# Altium PCB DINOBUS NODE CONTROLLER.PcbDoc
Units mil, origin at the board's own origin, x right, y up, seen from the top; angles counter-clockwise.
Board outline 1653 x 1929 mil, 2 copper layers (Top Layer, Bottom Layer); 70 components, 42 nets, 199 pads, 51 vias.
Unrouted connection lines stored in the file: 25.
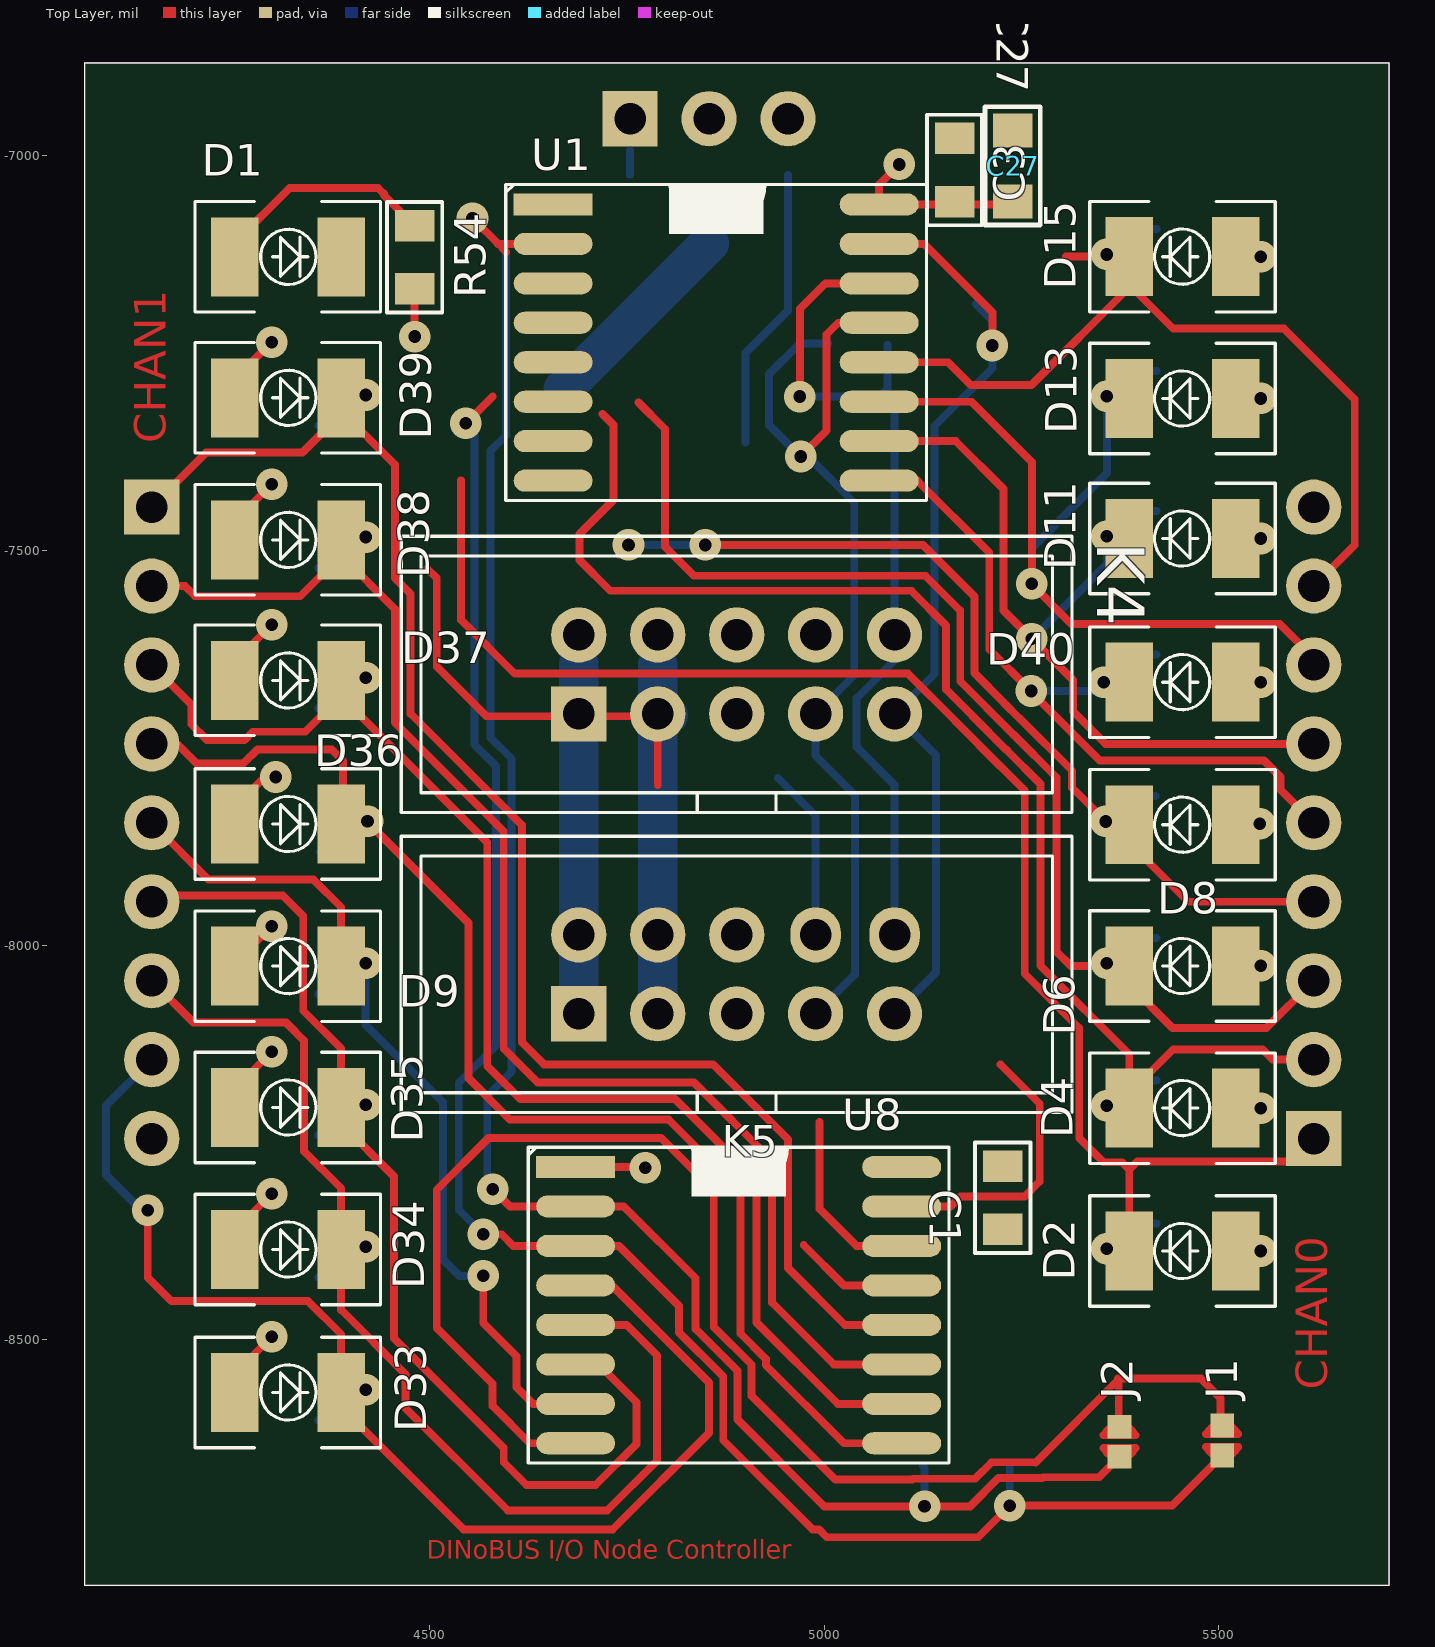
[diagram p0: Top Layer view]
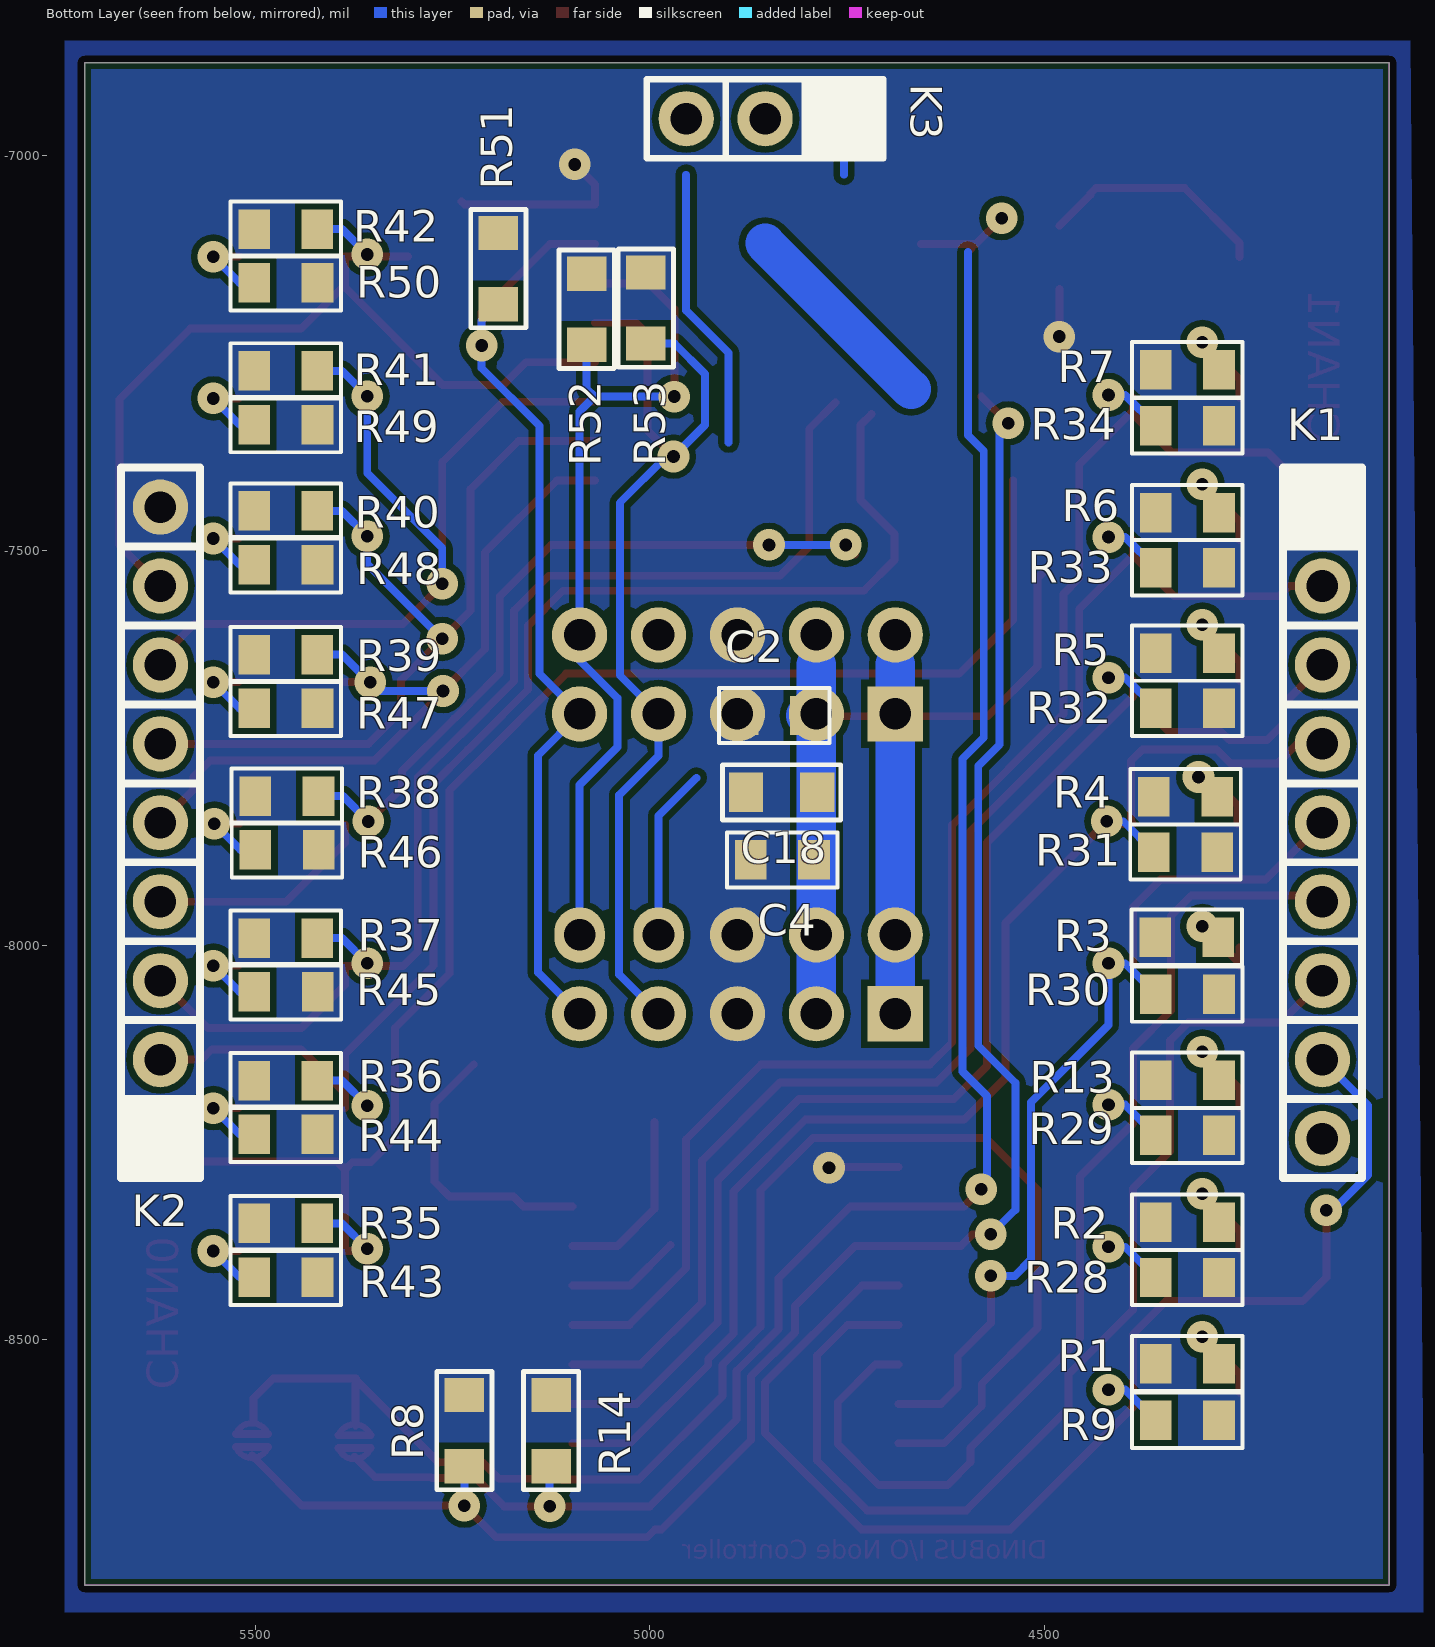
[diagram p1: Bottom Layer view, seen from below]

## Layer stack, top to bottom
Top Layer: signal copper 1.4
Dielectric: core 12.6, FR-4, Dk 4.8
Bottom Layer: signal copper 1.4

## Board outline
4063,-8811 4063,-6882 5716,-6882 5716,-8811

## Design rules (kind name [scope] priority, off if disabled: settings)
AssemblyTestPointUsage [All] p1 off:
AssemblyTestpoint [All] p1 off: testpointundercomponent=TRUE minsize=40 maxsize=100 preferedsize=60 minholesize=0 maxholesize=40 preferedholesize=32 testpointgrid=1 usegrid=TRUE gridtolerance=0.01 allowsidetop=TRUE allowsidebottom=TRUE
Clearance [All] p1: gap=8
ComponentClearance [All] p1 off: gap=10 collisioncheckmode=3 verticalgap=10 showdistances=FALSE
DiffPairsRouting [All] p1 off: maxlimit=10 minlimit=10 mostfreqgap=10 maxuncoupledlength=500
FabricationTestPointUsage TestPointUsage [All] p1 off: valid=0 allowmultiple=FALSE
FabricationTestpoint Testpoint [All] p1 off: side=3 testpointundercomponent=TRUE minsize=40 maxsize=100 preferedsize=60 minholesize=0 maxholesize=40 preferedholesize=32 testpointgrid=1 allowsidetop=TRUE allowsidebottom=TRUE usegrid=TRUE gridtolerance=0.01
FanoutControl Fanout_BGA [IsBGA] p1 off: bgadir=Out bgaviamode=Centered fanoutstyle=Auto fanoutdirection=Alternating viagrid=1 // Fanout_BGA (Default Rule)
FanoutControl Fanout_LCC [IsLCC] p2 off: bgadir=Out bgaviamode=Centered fanoutstyle=Auto fanoutdirection=Alternating viagrid=1 // Fanout_LCC (Default Rule)
FanoutControl Fanout_SOIC [IsSOIC] p3 off: bgadir=Out bgaviamode=Centered fanoutstyle=Auto fanoutdirection=Alternating viagrid=1 // Fanout_SOIC (Default Rule)
FanoutControl Fanout_Small [(CompPinCount < 5)] p4 off: bgadir=Out bgaviamode=Centered fanoutstyle=Auto fanoutdirection=OutThenIn viagrid=1 // Fanout_Small (Default Rule)
FanoutControl Fanout_Default [All] p5 off: bgadir=Out bgaviamode=Centered fanoutstyle=Auto fanoutdirection=Alternating viagrid=1 // Fanout_Default (Default Rule)
Height [All] p1 off: minheight=0 maxheight=1000 prefheight=500
HoleSize [All] p1: absolutevalues=TRUE maxlimit=500 minlimit=1 maxpercent=80.000 minpercent=20.000
LayerPairs [All] p1 off: enforce=TRUE
MinimumAnnularRing "Minimum Annular Ring" [All] p1: minimumring=5 // This is manufacturing dependent. Sierra = 5. This can go to 4 if needed, but keep 5 if possible
MinimumSolderMaskSliver [All] p1 off: minsoldermaskwidth=10
PasteMaskExpansion [All] p1 off: expansion=0
PlaneClearance [All] p1: clearance=6
PlaneConnect "PlaneConnect GND" [InNet('GND')] p1: planeconnectstyle=Direct reliefexpansion=6 reliefentries=4 reliefconductorwidth=10 reliefairgap=6
PlaneConnect "PlaneConnect GENERIC" [All] p2: planeconnectstyle=Relief reliefexpansion=20 reliefentries=4 reliefconductorwidth=10 reliefairgap=10
PolygonConnect [All] p1: connectstyle=Direct reliefconductorwidth=15 reliefentries=4 polygonreliefangle="90 Angle"
RoutingPriority [All] p1 off: routingpriority=0
RoutingTopology [All] p1 off: topology=Shortest
RoutingVias "Routing Vias" [All] p1: holewidth=10 width=30 viastyle="Through Hole" minholewidth=16 minwidth=40 maxholewidth=80 maxwidth=100 // Generic routing via rules
ShortCircuit "Short Circuit Generic Rule" [All] p1: allowed=FALSE // Short circuit Rule : No shorts allowed
SilkToSilkClearance [All] p1 off: silktosilkclearance=10
SilkscreenOverComponentPads [All] p1 off: minsilkscreentomaskgap=10
SolderMaskExpansion "SolderMask Expansion Via's" [(IsVia)] p1: expansion=-40 // Via's should be painted closed. Set to -40
SolderMaskExpansion "Solder Mask Expansion Generic" [All] p2: expansion=2 // Generic solder mask expansion
UnRoutedNet "Un Routed Net" [All] p1:  // Broken Nets not allowed
Width "Generic Width Rules" [All] p1: maxlimit=100 minlimit=10 preferedwidth=10 minimp=50.000000 maximp=50.000000 favimp=50.000000 // Generic width rules applicable if no specific rule is in effect
4 further rules are at their usual default settings.

## Components (designator, comment, footprint, x,y, rotation, side; value= is the part's Value field where it differs from the comment)
C1 "10uF" 0805C-GENERIC 5226,-8290 r270 top
C2 "10uF" 0805C-GENERIC 4872.28,-7709.07 r180 bottom
C3 "10uF" 0805C-GENERIC 5165,-7048 r90 top
C4 "10uF" 0805C-GENERIC 4862,-7892 r180 bottom
C18 "100nF" 0805C 4878,-7806.37 r180 bottom
C27 "100nF" 0805C 5238.54,-7057.83 r90 top
D1 "TOPLED-GREEN" TOPLED-GREEN 4253,-7128 r0 top
D2 "TOPLED-GREEN" TOPLED-GREEN 5521.3,-8387.42 r180 top
D4 "TOPLED-GREEN" TOPLED-GREEN 5521.3,-8206.42 r180 top
D6 "TOPLED-GREEN" TOPLED-GREEN 5521.3,-8026.42 r180 top
D8 "TOPLED-GREEN" TOPLED-GREEN 5521.3,-7847.42 r180 top
D9 "TOPLED-GREEN" TOPLED-GREEN 4253,-8026.58 r0 top
D11 "TOPLED-GREEN" TOPLED-GREEN 5521.3,-7484.83 r180 top
D13 "TOPLED-GREEN" TOPLED-GREEN 5521.3,-7307.42 r180 top
D15 "TOPLED-GREEN" TOPLED-GREEN 5521.3,-7127.83 r180 top
D33 "TOPLED-GREEN" TOPLED-GREEN 4253,-8566.58 r0 top
D34 "TOPLED-GREEN" TOPLED-GREEN 4253,-8385.58 r0 top
D35 "TOPLED-GREEN" TOPLED-GREEN 4253,-8205.58 r0 top
D36 "TOPLED-GREEN" TOPLED-GREEN 4253,-7846.58 r0 top
D37 "TOPLED-GREEN" TOPLED-GREEN 4253,-7664.58 r0 top
D38 "TOPLED-GREEN" TOPLED-GREEN 4253,-7486.58 r0 top
D39 "TOPLED-GREEN" TOPLED-GREEN 4253,-7306.58 r0 top
D40 "TOPLED-GREEN" TOPLED-GREEN 5521.3,-7666.83 r180 top
J1 "A2" BYPASS#1 5504,-8646.58 r90 top
J2 "A1" BYPASS#2 5374,-8648 r90 top
K1 "HEADER-1X9" HEADER-1X9 4148,-7445 r180 bottom
K2 "HEADER-1X9" HEADER-1X9 5620,-8245 r0 bottom
K3 "HEADER-1X3" HEADER-1X3 4754,-6953 r270 bottom
K4 "DINOBUS" IDC10-B#1 4689,-7707 r0 top
K5 "DINOBUS" IDC10-B#2 4689,-8087 r0 top
R1 "330R" 0805R-330#1 4279,-8530 r0 bottom
R2 "330R" 0805R-330#1 4279,-8351 r0 bottom
R3 "330R" 0805R-330#1 4280,-7990 r0 bottom
R4 "330R" 0805R-330#1 4281.4,-7812 r0 bottom
R5 "330R" 0805R-330#1 4279,-7630 r0 bottom
R6 "330R" 0805R-330#1 4279,-7452 r0 bottom
R7 "330R" 0805R-330#1 4279,-7271 r0 bottom
R8 "10K" 0805R 5235,-8660 r90 bottom
R9 "10K" 0805R-10K 4359,-8602 r180 bottom
R13 "330R" 0805R-330#1 4279,-8171 r0 bottom
R14 "10K" 0805R 5125,-8660 r90 bottom
R28 "10K" 0805R-10K 4359,-8421 r180 bottom
R29 "10K" 0805R-10K 4359,-8241 r180 bottom
R30 "10K" 0805R-10K 4359,-8062 r180 bottom
R31 "10K" 0805R-10K 4361.4,-7882 r180 bottom
R32 "10K" 0805R-10K 4359,-7700 r180 bottom
R33 "10K" 0805R-10K 4359,-7522 r180 bottom
R34 "10K" 0805R-10K 4359,-7342 r180 bottom
R35 "10K" 0805R-10K 5421.13,-8352.48 r0 bottom
R36 "10K" 0805R-10K 5421.13,-8171.48 r0 bottom
R37 "10K" 0805R-10K 5421.07,-7990.98 r0 bottom
R38 "10K" 0805R-10K 5419.77,-7811.15 r0 bottom
R39 "10K" 0805R-10K 5421.13,-7631.89 r0 bottom
R40 "10K" 0805R-10K 5421.13,-7449.89 r0 bottom
R41 "10K" 0805R-10K 5421.13,-7272.48 r0 bottom
R42 "10K" 0805R-10K 5421.13,-7092.89 r0 bottom
R43 "330R" 0805R-330#1 5501,-8420.58 r180 bottom
R44 "330R" 0805R-330#1 5501,-8239.58 r180 bottom
R45 "330R" 0805R-330#1 5500.94,-8059.09 r180 bottom
R46 "330R" 0805R-330#1 5499.64,-7879.26 r180 bottom
R47 "330R" 0805R-330#1 5501,-7700 r180 bottom
R48 "330R" 0805R-330#1 5501,-7518 r180 bottom
R49 "330R" 0805R-330#1 5501,-7340.58 r180 bottom
R50 "330R" 0805R-330#1 5501,-7161 r180 bottom
R51 "10K" 0805R 5192,-7188 r90 bottom
R52 "10K" 0805R 5080,-7239.37 r90 bottom
R53 "10K" 0805R 5005,-7238 r90 bottom
R54 "330R" 0805R-330#2 4481,-7098.6 r270 top
U1 "PCA9534" SO16W 4656.5,-7061.56 r0 top
U8 "PCA9534" SO16W 4685,-8281 r0 top

## Footprints (in the part's own frame and the unit in brackets; to place one, negate y for a bottom-side part, rotate by r counter-clockwise, add the part's x,y. Pads: shape width x height; smd on the part's side, far side on the other; paste and mask are expansions set on the pad)
0805C [mm]
  rect 1.1x1.27 smd: 1(0,0) 2(2.286,0)
  silkscreen extent -0.76,-0.89 3.05,0.89, body extent -0.25,-0.64 2.41,0.64, height 0.66
0805C-GENERIC [mil] "CAPACITOR 0805"
  rect 40x50 smd: 1(-10,0) 2(70,0)
  silkscreen extent -40,-35 100,35, body extent -11,-25 70,25, height 26
0805R [mm]
  rect 1.1x1.27 smd: 1(0,0) 2(2.286,0)
  silkscreen extent -0.76,-0.89 3.05,0.89, body extent 0,-0.64 2.29,0.64, height 0.66
0805R-10K [mil] "RESISTOR 0805"
  rect 40x50 smd: 1(0,0) 2(80,0)
  silkscreen extent -30,-35 110,35, body extent -1,-25 80,25, height 27
0805R-330#1 [mil] "RESISTOR 0805"
  rect 40x50 smd: 1(0,0) 2(80,0)
  silkscreen extent -30,-35 110,35, body extent -1,-25 80,25, height 27
0805R-330#2 [mil] "RESISTOR 0805"
  rect 40x50 smd: 1(-10,0) 2(70,0)
  silkscreen extent -40,-35 100,35, body extent -11,-25 70,25, height 27
BYPASS#1 [mil]
  rect 30x30 smd mask+4: 1(0,0) 2(38,0)
  Top Layer lines w8: 10.83,20.43 ccw(c19,0) -2.82,2.82 ccw(c19,0) 10.83,-20.43 ; 27.17,20.43 cw(c19,0) 41,0 cw(c19,0) 40.98,-1 cw(c19,0) 38,-11.09 cw(c19,0) 27.17,-20.43
  Top Layer lines w10: 10.83,20.43 10.83,0 10.83,-20.43 ; 27.17,20.43 27.17,0 27.17,-20.43
BYPASS#2 [mil]
  rect 30x30 smd mask+4: 1(0,0) 2(38,0)
  Top Layer lines w8: 10.83,20.43 ccw(c19,0) -2.82,2.82 ccw(c19,0) 10.83,-20.43 ; 27.17,20.43 cw(c19,0) 40.98,1 cw(c19,0) 40.98,-1 cw(c19,0) 38,-11.09 cw(c19,0) 27.17,-20.43
  Top Layer lines w10: 27.17,20.43 27.17,0 27.17,-1 27.17,-20.43 ; 10.83,20.43 10.83,0 10.83,-20.43 ; 10.83,20.43 10.83,20.43 ; 10.83,-20.43 10.83,-20.43
HEADER-1X3 [mil]
  rect 70x70 hole 40: 1(0,0)
  round 70 hole 40: 2(0,-100) 3(0,-200)
  silkscreen extent -50,-250 50,50, body extent -50,-250 50,50, height 470
HEADER-1X9 [mil]
  rect 70x70 hole 40: 1(0,0)
  round 70 hole 40: 2(0,-100) 3(0,-200) 4(0,-300) 5(0,-400) 6(0,-500) 7(0,-600) 8(0,-700) 9(0,-800)
  silkscreen extent -50,-850 50,50, body extent -50,-850 50,50, height 470
IDC10-B#1 [mil]
  rect 70x70 hole 40: 1(0,0)
  round 70 hole 40: 2(0,100) 3(100,0) 4(100,100) 5(200,0) 6(200,100) 7(300,0) 8(300,100) 9(400,0) 10(400,100)
  silkscreen extent -225,-125 625,225, body extent -225,-125 625,225, height 358
IDC10-B#2 [mil]
  rect 70x70 hole 40: 1(0,0)
  round 70 hole 40: 2(0,100) 3(100,0) 4(100,100) 5(200,0) 6(200,100) 7(300,0) 9(400,0)
  oval 64x70 hole 40: 8(300,100) 10(400,100)
  silkscreen extent -225,-125 625,225, body extent -225,-125 625,225, height 358
SO16W [mil]
  rect 100x28 smd: 1(0,0)
  oval 100x28 smd: 2(0,-50) 3(0,-100) 4(0,-150) 5(0,-200) 6(0,-250) 7(0,-300) 8(0,-350) 9(413,-350) 10(413,-300) 11(413,-250) 12(413,-200) 13(413,-150) 14(413,-100) 15(413,-50) 16(413,0)
  silkscreen extent -60,-375 473,25, body extent 5,-375 407,27, height 61
TOPLED-GREEN [mil]
  rect 60x100 smd: A(0,0) K(135,0)
  silkscreen extent -50,-70 185,70, body extent -20,-60 154,60, height 75

## Part data
C1 C2 C3 C4: library part 0805C-10UF-16V-X5R-TDK, "CAPACITOR 0805 CERAMIC"
C18 C27: library part 0805C-100NF, "CAPACITOR NONPOLARISED"
J1 J2: library part BYPASS
K4 K5: "BOXHEADER 10 PIN"
R1 R2 R3 R4 R5 R6 R7 R13 R43 R44 R45 R46 R47 R48 R49 R50 R54: library part 0805R-330, "RESISTOR 0805 1/4 WATT THIN FILM"
R8 R14 R51 R52 R53: library part 0805R-10K, "RESISTOR VALUE AS INDICATED"
R9 R28 R29 R30 R31 R32 R33 R34 R35 R36 R37 R38 R39 R40 R41 R42: library part 0805R-10k, "RESISTOR 0805 1/4 WATT THIN FILM"
U1 U8: "OCTAL PUSH PULL DRIVER I2C"

## Via types
v1: diameter 40, hole 16, Top Layer to Bottom Layer, 51 vias

## Nets (pads, with @x,y where several pads share a name; then routed paths per layer and width w, separated by ;. In a path a pad name is that pad's centre, name@x,y a point inside that pad or via, vN(x,y) a via of type N, cw(c..) or ccw(c..) an arc to the next point about the centre after c; other vN are vias at no path point)
EN: K3.3 K4.8 K5.8 | length 580.3
  Bottom Layer w10: 4900.17,-7363.17 4900.17,-7249.83 4954,-7196 4954,-7024 ; 4941,-7788 4989,-7836 K5.8
GND: C1.2 C2.2 C3.2 C4.2 C18.2 C27.2 D1.K J1.2 J2.2 K1.9 K3.1 K4.3 K4.4 K5.3 K5.4 U1.1 U1.8 U8.8 | length 2913.9
  Top Layer w10: 4497,-7523 4509,-7535 4509,-7647 4572,-7710 4757.62,-7710 4789,-7741.38 4789,-7797 ; U8.8 4627,-8631 4579.58,-8583.58 4579.58,-8555.58 4509,-8485 4509,-8309.86 4574.54,-8244.33 4793.33,-8244.33 4860,-8311 4860,-8483.63 4908,-8531.63 4908,-8571 5014,-8677 5111.5,-8677 5112.5,-8676 5191,-8676 5212,-8655 5267.54,-8655 5267.77,-8655.23 5373,-8550 5373,-8607.02 J2.2@5373,-8608.58 ; K3.1@4754,-6980 K3.1@4774,-6960 ; 5372,-8549 5477,-8549 5502,-8574 J1.2@5502,-8605.02
  Bottom Layer w10: 4754,-7024 4754,-6993
  Bottom Layer w50: K5.3 K5.4 4789,-7722.35 C2.2 ; K4.3 4789,-7644.81
INT: K4.7 K5.7 R53.1 U1.13 U8.13 | length 1399.5
  Top Layer w10: v1(4970,-7381) 5003,-7348 5003,-7226.22 5017.66,-7211.56 U1.13 ; 4974,-8380 5025,-8431 U8.13
  Bottom Layer w10: K5.7 5039,-8037 5039,-7810 4989,-7760 K4.7 5038,-7658 5038,-7439.69 4979.31,-7381 v1(4970,-7381) 4930,-7341 4930,-7276.46 4968.46,-7238 R53.1
NetD1_A: D1.A R54.1 | length 295
  Top Layer w10: D1.A 4253,-7110.4 4322.4,-7041 4435,-7041 4442,-7048 4442,-7049.6 R54.1
NetD2_A: D2.A R43.1 | length 97.4
  Top Layer w10: D2.A v1(5553,-8387.42)
  Bottom Layer w10: R43.1 5519.83,-8420.58 v1(5553,-8387.42)
NetD2_K: D2.K K2.1 R35.1 U1.4 | length 1976.3
  Top Layer w10: 4540,-7411 4540,-7588 4608,-7656 5106,-7656 5167,-7717 5167,-7717.35 5222.65,-7773 5223,-7773 5254,-7804 5254,-8036.13 5323,-8105.13 5323,-8244.33 5353.67,-8275 5377,-8275 5386.3,-8284.3 ; D2.K@5369,-8387.42 D2.K 5386.3,-8284.3 ; K2.1 5591,-8274 5396.61,-8274 5386.3,-8284.3
  Bottom Layer w10: v1(5358,-8384.58) 5390.11,-8352.48 R35.1
NetD4_A: D4.A R44.1 | length 97.4
  Top Layer w10: D4.A v1(5553,-8206.42)
  Bottom Layer w10: R44.1 5519.83,-8239.58 v1(5553,-8206.42)
NetD4_K: D4.K K2.2 R36.1 U1.5 | length 1753.6
  Top Layer w10: 4719,-7327 4733,-7341 4733,-7436 4690,-7479 4690,-7512.11 4728.89,-7551 5110.28,-7551 5154.19,-7594.91 5154.19,-7675.91 5187,-7708.72 5187,-7709.07 5230.93,-7753 5231.28,-7753 5274,-7795.72 5274,-8026 5386.3,-8138.3 D4.K ; D4.K@5386.3,-8187.7 5442,-8132 5555,-8132 5568,-8145 K2.2
  Bottom Layer w10: v1(5358,-8203.58) 5390.11,-8171.48 R36.1
NetD6_A: D6.A R45.1 | length 97.4
  Top Layer w10: D6.A@5521.25,-8025.92 v1(5552.94,-8025.92)
  Bottom Layer w10: R45.1 5519.78,-8059.09 v1(5552.94,-8025.92)
NetD6_K: D6.K K2.3 R37.1 U1.6 | length 1567.8
  Top Layer w10: 4764.72,-7312.64 4798,-7345.93 4798,-7495 4835,-7532 5128,-7532 5172.19,-7576.19 5172.19,-7665.62 5207,-7700.43 5207,-7700.78 5239.22,-7733 5239.57,-7733 5294,-7787.43 5294,-8008 5312.42,-8026.42 D6.K 5386.3,-8050.08 5441.22,-8105 5560,-8105 K2.3
  Bottom Layer w10: v1(5357.94,-8023.09) 5390.05,-7990.98 R37.1
NetD8_A: D8.A R46.1 | length 97.4
  Top Layer w10: D8.A@5519.94,-7846.09 v1(5551.64,-7846.09)
  Bottom Layer w10: R46.1 5518.47,-7879.26 v1(5551.64,-7846.09)
NetD8_K: D8.K K2.4 R38.1 U1.7 | length 1200.3
  Top Layer w10: v1@4740,-7505 v1(4752,-7493) ; v1(4849,-7493) 5125,-7493 5190.19,-7558.19 5190.19,-7655.34 5227,-7692.15 5227,-7692.5 5247.5,-7713 5247.85,-7713 5314,-7779.15 5314,-7800.62 v1(5356.64,-7843.26) ; D8.K 5386.3,-7870.3 5461,-7945 K2.4
  Bottom Layer w10: v1(4752,-7493) v1(4849,-7493) ; v1(5356.64,-7843.26) 5388.75,-7811.15 R38.1
NetD9_A: D9.A R3.1 | length 93.6
  Top Layer w10: D9.A@4253,-8003 D9.A@4253,-8023 ; v1(4300,-7976) D9.A@4253,-8023 ; D9.A@4253,-8023 D9.A D9.A@4253,-8023
NetD9_K: D9.K K1.5 R30.1 U8.7 | length 1152.6
  Top Layer w10: K1.5 4220,-7917 4353,-7917 4388,-7952 D9.K ; v1(4568,-8419) 4568,-8478.69 4610,-8520.69 4610,-8560 4631,-8581 U8.7
  Bottom Layer w10: R30.1 4398,-8023 v1(4419,-8023) 4419,-8101 4517,-8199 4517,-8398.26 4537.74,-8419 v1(4568,-8419)
NetD11_A: D11.A R48.1 | length 97.4
  Top Layer w10: D11.A v1(5553,-7484.83)
  Bottom Layer w10: R48.1 5519.83,-7518 v1(5553,-7484.83)
NetD11_K: D11.K K2.6 R40.1 U1.10 | length 1068.6
  Top Layer w10: U1.10 5166.56,-7361.56 5227,-7422 5227,-7576 v1(5263,-7612) 5315,-7664 5315,-7703.72 5356.28,-7745 K2.6
  Bottom Layer w10: v1(5263,-7612) 5358,-7517 v1(5358,-7482) 5390.11,-7449.89 R40.1
NetD13_A: D13.A R49.1 | length 97.4
  Top Layer w10: D13.A v1(5553,-7307.42)
  Bottom Layer w10: R49.1 5519.83,-7340.58 v1(5553,-7307.42)
NetD13_K: D13.K K2.7 R41.1 U1.11 | length 1137.5
  Top Layer w10: U1.11 5186.49,-7311.56 5263,-7388.07 v1(5263,-7542) ; v1@5262.5,-7542.5 5313,-7593 5577,-7593 5620,-7636 K2.7
  Bottom Layer w10: v1(5263,-7542) 5263,-7497 5358,-7402 v1(5358,-7304.58) 5390.11,-7272.48 R41.1
NetD15_A: D15.A R50.1 | length 97.4
  Top Layer w10: D15.A v1(5553,-7127.83)
  Bottom Layer w10: R50.1 5519.83,-7161 v1(5553,-7127.83)
NetD15_K: D15.K K2.8 R42.1 U1.12 | length 1179.2
  Top Layer w10: U1.12 5156.8,-7261.56 5185.7,-7290.46 5262.54,-7290.46 5386.3,-7166.7 D15.K@5386.3,-7163.3 ; 5306.17,-7127.83 D15.K D15.K@5386.3,-7163.3 ; K2.8 5672,-7493 5672,-7308.77 5582.23,-7219 5442,-7219 D15.K@5386.3,-7163.3
  Bottom Layer w10: v1(5358,-7125) 5390.11,-7092.89 R42.1
NetD33_A: D33.A R1.1 | length 90.1
  Top Layer w10: D33.A 4253,-8543 v1(4300,-8496)
NetD33_K: D33.K K1.8 R9.1 U8.4 | length 1634.3
  Top Layer w10: v1(4143,-8336) 4143,-8421 4173,-8451 4346,-8451 4388,-8493 D33.K 4388,-8585 4543,-8740 4732,-8740 4854,-8618 4854,-8554 4731,-8431 U8.4
  Bottom Layer w10: v1(4143,-8336) 4135,-8336 4090,-8291 4090,-8203 K1.8 ; R9.1 4398,-8563 v1(4419,-8563)
NetD34_A: D34.A R2.1 | length 90.1
  Top Layer w10: D34.A 4253,-8362 v1(4300,-8315)
NetD34_K: D34.K K1.7 R28.1 U8.5 | length 1470
  Top Layer w10: K1.7 4201,-8098 4318,-8098 4341,-8121 4341,-8261 4388,-8308 D34.K 4388,-8462 4469.5,-8543.5 4469.5,-8586.5 4599,-8716 4725,-8716 4788,-8653 4788,-8519.63 4749.37,-8481 U8.5
  Bottom Layer w10: R28.1 4398,-8382 v1(4419,-8382)
NetD35_A: D35.A R13.1 | length 90.1
  Top Layer w10: D35.A 4253,-8182 v1(4300,-8135)
NetD35_K: D35.K K1.6 R29.1 U8.6 | length 1451.3
  Top Layer w10: K1.6@4169.41,-7962 4152,-7944.58 4159.58,-7937 4314,-7937 4340,-7963 4340,-8083 4388,-8131 D35.K 4388,-8226 4455,-8293 4455,-8498 4594,-8637 4594,-8655 4623,-8684 4710,-8684 4762,-8632 4762,-8579 4714,-8531 U8.6
  Bottom Layer w10: R29.1 4398,-8202 v1(4419,-8202)
NetD36_A: D36.A R4.1 | length 90.1
  Top Layer w10: D36.A@4255.4,-7846.58 4255.4,-7823 v1@4302.4,-7776
  other v1: 4305,-7787
NetD36_K: D36.K K1.4 R31.1 U8.9 | length 1683.6
  Top Layer w10: K1.4 4180,-7745 4205,-7770 4264,-7770 4282,-7752 4376,-7752 4390.4,-7766.4 4390.4,-7844.18 D36.K 4423.95,-7846.58 4549.41,-7972.04 4549.41,-8168.41 4602,-8221 4803,-8221 4894,-8312 4894,-8492.18 4926,-8524.18 4926,-8532 5025,-8631 U8.9
  Bottom Layer w10: R31.1 4400.4,-7843 v1(4421.4,-7843)
NetD37_A: D37.A R5.1 | length 90.1
  Top Layer w10: D37.A 4253,-7641 v1(4300,-7594)
NetD37_K: D37.K K1.3 R32.1 U8.10 | length 1745.4
  Top Layer w10: K1.3 4198,-7695 4198,-7720 4218,-7740 4265.72,-7740 4276.13,-7729.58 4342.42,-7729.58 D37.K@4373.37,-7698.63 ; D37.K 4388,-7685 4573,-7870 4573,-8153 4615,-8195 4811,-8195 4914,-8298 4914,-8478 5017,-8581 U8.10
  Bottom Layer w10: R32.1 4398,-7661 v1(4419,-7661)
NetD38_A: D38.A R6.1 | length 90.1
  Top Layer w10: D38.A 4253,-7463 v1(4300,-7416)
NetD38_K: D38.K K1.2 R33.1 U8.11 | length 1872.8
  Top Layer w10: K1.2 4190,-7545 4203,-7558 4336,-7558 D38.K@4388,-7506 ; K1.2@4152,-7544.58 K1.2@4169.58,-7527 ; D38.K D38.K@4388,-7506 ; U8.11 5012,-8531 4934,-8453 4934,-8273 4835,-8174 4637,-8174 4594,-8131 4594,-7856 4456,-7718 4456,-7574 D38.K@4388,-7506
  Bottom Layer w10: R33.1 4398,-7483 v1(4419,-7483)
NetD39_A: D39.A R7.1 | length 90.1
  Top Layer w10: D39.A 4253,-7283 v1(4300,-7236)
NetD39_K: D39.K K1.1 R34.1 U8.12 | length 2005.1
  Top Layer w10: K1.1 4217,-7376 4339,-7376 4388,-7327 D39.K@4388,-7323 ; D39.K D39.K@4388,-7323 ; U8.12 5026,-8481 4954,-8409 4954,-8246 4859,-8151 4645,-8151 4617,-8123 4617,-7848 4476,-7707 4476,-7555 4456,-7535 4456,-7391 D39.K@4388,-7323
  Bottom Layer w10: R34.1 4398,-7303 v1(4419,-7303)
NetD40_A: D40.A R47.1 | length 97.4
  Top Layer w10: D40.A v1(5553,-7666.83)
  Bottom Layer w10: R47.1 5519.83,-7700 v1(5553,-7666.83)
NetD40_K: D40.K K2.5 R39.1 U1.9 | length 1022.2
  Top Layer w10: U1.9 5117.92,-7411.56 5209,-7502.64 5209,-7625 v1(5262,-7678) 5262,-7679 5349,-7766 5557,-7766 5578,-7787 5578,-7803 K2.5 ; v1(5354,-7666.81) D40.K
  Bottom Layer w10: v1(5262,-7678) 5344,-7678 5390.11,-7631.89 R39.1
NetJ1_1: J1.1 R8.1 U1.3 U8.3 | length 2378
  Top Layer w10: v1(4546,-7339) 4580,-7305 ; v1(4568,-8366.26) 4591.26,-8366.26 4606,-8381 U8.3 4740,-8381 4816,-8457 4816,-8490.54 4872,-8546.54 4872,-8627 4985.03,-8740.02 4993.31,-8740.02 5003.28,-8750 5195,-8750 v1(5235,-8710) 5440.58,-8710 5501.18,-8649.4 J1.1
  Bottom Layer w10: v1(4546,-7339) 4557,-7350 4557,-7746 4584,-7773 4584,-8127.28 4537,-8174.28 4537,-8335.26 v1(4568,-8366.26) ; v1(5235,-8710) R8.1
NetJ2_1: J2.1 R14.1 U1.2 U8.2 | length 2457.5
  Top Layer w10: v1(4554.34,-7079) 4586.9,-7111.56 U1.2 ; v1(4580,-8309) 4602,-8331 U8.2 4746,-8331 4837,-8422 4837,-8486.09 4890,-8539.09 4890,-8601 5000,-8711 v1(5127,-8711) 5184.5,-8711 5220.5,-8675 5249.5,-8675 5249.73,-8675.23 5276.06,-8675.23 5277.28,-8674 5348,-8674 5371.18,-8650.82 J2.1 ; 4592.17,-7116.83 4597,-7121.66
  Bottom Layer w10: v1(4580,-8309) 4573,-8302 4573,-8191 4604,-8160 4604,-7764 4577,-7737 4577,-7374 4597,-7354 4597,-7121.66 ; R14.1 5127,-8662 v1(5127,-8711)
SCL: K4.10 K5.10 R52.1 U1.14 U8.14 | length 1358.7
  Top Layer w10: v1(4969,-7305) 4969,-7194.24 5001.67,-7161.56 U1.14 ; 4994,-8224 4994,-8334 5041,-8381 U8.14
  Bottom Layer w10: v1(4969,-7305) 5070,-7305 ; R52.1 5080,-7295 5070,-7305 ; K5.10 5089,-7797 5041,-7749 5041,-7687.12 5089,-7639.12 5089,-7324 5070,-7305
SDA: K4.9 K5.9 R51.1 U1.15 U8.15 | length 1581.2
  Top Layer w10: U1.15 5126.25,-7111.56 5213,-7198.31 v1(5213,-7240.38) ; U8.15 5160,-8331 5172.6,-8318.4 5253.81,-8318.4 5273,-8299.21 5273,-8201 5223,-8151
  Bottom Layer w10: K5.9 5141.52,-8034.48 5141.52,-7759.52 K4.9 5139.85,-7656.15 5139.85,-7342.15 5213,-7269 v1(5213,-7240.38) 5213,-7209 R51.1
V5: C1.1 C2.1 C3.1 C4.1 C18.1 C27.1 K2.9 K4.5 K4.6 K5.5 K5.6 R1.2 R2.2 R3.2 R4.2 R5.2 R6.2 R7.2 R8.2 R9.2 R13.2 R14.2 R28.2 R29.2 R30.2 R31.2 R32.2 R33.2 R34.2 R35.2 R36.2 R37.2 R38.2 R39.2 R40.2 R41.2 R42.2 R43.2 R44.2 R45.2 R46.2 R47.2 R48.2 R49.2 R50.2 R51.2 R52.2 R53.2 R54.2 U1.16 U8.1 U8.16 | length 380.7
  Top Layer w10: R54.2 4481,-7228.67 v1(4481.33,-7229) ; U8.1 4772,-8281 v1(4773,-8282) ; v1(5095,-7011) 5069.5,-7036.5 U1.16 5234.81,-7061.56 C27.1
V12: K3.2 K4.1 K4.2 K5.1 K5.2 | length 700.2
  Bottom Layer w50: 4669,-7296 4854,-7111 ; K5.1@4689,-8082.56 K4.1 4689,-7644
copper on no net: | length 21898.7
  Top Layer w10: 3621,-6432 3631.25,-6442.25 3631.25,-6459.25 3645,-6473 3678,-6473 ; 3621,-6232 3631.25,-6242.25 3631.25,-6259.25 3645,-6273 3678,-6273 ; 3621,-6032 3631.25,-6042.25 3631.25,-6059.25 3645,-6073 3678,-6073 ; 3621,-5832 3631.25,-5842.25 3631.25,-5859.25 3645,-5873 3678,-5873 ; 3621,-5632 3631.25,-5642.25 3631.25,-5659.25 3645,-5673 3678,-5673 ; 3621,-5432 3631.25,-5442.25 3631.25,-5459.25 3645,-5473 3678,-5473 ; 3621,-5232 3631.25,-5242.25 3631.25,-5259.25 3645,-5273 3678,-5273 ; 3621,-5032 3631.25,-5042.25 3631.25,-5059.25 3645,-5073 3678,-5073 ; 3680,-6398 3780,-6398 ; 3680,-6198 3780,-6198 ; 3680,-5998 3780,-5998 ; 3680,-5798 3780,-5798 ; 3680,-5598 3780,-5598 ; 3680,-5398 3780,-5398 ; 3680,-5198 3780,-5198 ; 3680,-4998 3780,-4998 ; 3756,-6432 3834,-6432 3874,-6392 3971,-6392 ; 3756,-6232 3834,-6232 3874,-6192 3971,-6192 ; 3756,-6032 3834,-6032 3874,-5992 3971,-5992 ; 3756,-5832 3834,-5832 3874,-5792 3971,-5792 ; 3756,-5632 3834,-5632 3874,-5592 3971,-5592 ; 3756,-5432 3834,-5432 3874,-5392 3971,-5392 ; 3756,-5232 3834,-5232 3874,-5192 3971,-5192 ; 3757,-6519 3757,-6433 ; 3757,-6319 3757,-6233 ; 3757,-6119 3757,-6033 ; 3757,-5919 3757,-5833 ; 3757,-5719 3757,-5633 ; 3757,-5519 3757,-5433 ; 3757,-5319 3757,-5233 ; 3757,-5119 3757,-5033 3756,-5032 3834,-5032 3874,-4992 3971,-4992 ; 3836,-6472 3836,-6516 3869,-6549 4054,-6549 4142,-6461 4142,-5990 ; 3836,-6272 3902,-6338 3983,-6338 4076,-6245 4076,-5915.88 4101.88,-5890 4142,-5890 ; 3836,-6072 3892,-6128 3996,-6128 4054,-6070 4054,-5834 4098,-5790 4142,-5790 ; 3836,-5872 3890,-5926 4009,-5926 4030,-5905 4030,-5728 4068,-5690 4142,-5690 ; 3836,-5672 3894,-5730 3988,-5730 4019,-5699 4019,-5619 4083,-5555 4142,-5555 ; 3836,-5472 3895,-5531 3995,-5531 4071,-5455 4142,-5455 ; 3836,-5272 3896,-5332 4035,-5332 4058,-5355 4142,-5355 ; 3836,-5072 3887,-5123 4024,-5123 4067,-5166 4067,-5225 4097,-5255 4142,-5255 ; 3911,-6472 3971,-6472 ; 3911,-6272 3971,-6272 ; 3911,-6072 3971,-6072 ; 3911,-5872 3971,-5872 ; 3911,-5672 3971,-5672 ; 3911,-5472 3971,-5472 ; 3911,-5272 3971,-5272 ; 3911,-5072 3971,-5072 ; 4070,-5756 4086,-5740 4142,-5740 ; 4070,-5643 4139,-5643 4142,-5640 ; 4070,-5506 4071,-5505 4142,-5505 ; 4070,-5406 4141,-5406 4142,-5405 ; 4142,-5940 4173,-5940 4201,-5968 4201,-6045 4180,-6066 4180,-6150 ; 4142,-5840 4194,-5840 4234,-5880 4234,-6150 ; 4163,-5205 4142,-5205 4142,-5177 4183,-5136 ; 4315,-5890 4296,-5871 4296,-5811 4317,-5790 4362,-5790 ; 4315,-5790 4296,-5771 4296,-5711 4317,-5690 ; 4315,-5455 4296,-5436 4296,-5376 4317,-5355 4362,-5355 ; 4315,-5355 4296,-5336 4296,-5276 4317,-5255 4362,-5255 ; 4362,-5940 4433,-5940 4443,-5930 4495,-5930 ; 4362,-5890 4317,-5890 4296,-5911 4296,-5971 4315,-5990 4362,-5990 4455,-5990 4495,-6030 ; 4362,-5840 4430,-5840 4440,-5830 4495,-5830 ; 4362,-5740 4431,-5740 4441,-5730 4495,-5730 ; 4362,-5690 4317,-5690 ; 4362,-5640 4427,-5640 4437,-5630 4495,-5630 ; 4362,-5555 4315,-5555 ; 4362,-5505 4426,-5505 4451,-5530 4495,-5530 ; 4362,-5455 4317,-5455 4296,-5476 4296,-5536 4315,-5555 ; 4362,-5405 4424,-5405 4449,-5430 4495,-5430 ; 4362,-5305 4416,-5305 4441,-5330 4495,-5330 ; 4362,-5205 4470,-5205 4495,-5230 ; 4595,-5330 4672,-5253 4672,-4835 4691,-4816 ; 4315,-5555 4296,-5574 4296,-5669 4317,-5690
  Top Layer w16: 4070,-5307 4140,-5307 4142,-5305
  Top Layer w100: 5279.21,-4842 5279.21,-5042 5279.21,-5242 5279.21,-5442 5279.21,-5642 5279.21,-5842 5279.21,-6441.21 5361,-6523 6358,-6523 6443,-6438 ; 5480,-6242 5980.31,-6242 5984.73,-6237.58 ; 5480,-6042 5663.31,-6042 5668.73,-6036.58 ; 5480,-5842 5977.31,-5842 5982.73,-5836.58 ; 5480,-5642 5661.31,-5642 5668.73,-5634.58 ; 5480,-5442 5976.31,-5442 5980.73,-5437.58 ; 5480,-5242 5661.31,-5242 5667.73,-5235.58 ; 5480,-5042 5973.31,-5042 5980.73,-5034.58 ; 5480,-4842 5664.31,-4842 5668.73,-4837.58 ; 5867.73,-5235.58 6440.58,-5235.58 6443,-5238 ; 5868.73,-6036.58 6441.58,-6036.58 6443,-6038 ; 5868.73,-5634.58 6439.58,-5634.58 6443,-5638 ; 5868.73,-4837.58 6442.58,-4837.58 6443,-4838 ; 6180.73,-5437.58 6442.58,-5437.58 6443,-5438 ; 6180.73,-5034.58 6439.58,-5034.58 6443,-5038 ; 6182.73,-5836.58 6441.58,-5836.58 6443,-5838 ; 6184.73,-6237.58 6442.58,-6237.58 6443,-6238

## Polygon pours and split planes (outlines as drawn)
V5 on Bottom Layer "TOP GND GND" (solid, pour order 4): 4037,-6854 5741,-6854 5741,-7044 5741,-8845 5357,-8845 4020,-8845 4020,-8679

## Keep-outs
Keep-Out Layer:
  the board outline again, w1

## Other copper
Top Layer:
  text "CHAN0" at 4618,-5127.5 h40 r90
  text "CHAN1" at 4516,-5135.5 h40 r90
  text "DINoBUS SCR / OPTO I/O Node" at 4284,-6568 h40
  text "CHAN1" at 4166,-7364 h40 r90
  text "CHAN0" at 5637,-8563 h40 r90
  text "DINoBUS I/O Node Controller" at 4496.31,-8785 h40

## Silkscreen, mask and mechanical layers (free items; w line width, h text height)
Top Overlay:
  the board outline again, w1
Mechanical 1:
  lines w1: 3829,-6036.58 6402.73,-6036.58 ; 3970,-6437.58 6403.73,-6437.58 ; 3970,-6237.58 6403.73,-6237.58 ; 3981,-5235.58 6401.73,-5235.58 ; 3989,-5836.58 6402.73,-5836.58 ; 4039,-5637.58 6403.73,-5637.58 ; 4039,-4837.58 6403.73,-4837.58 ; 4041,-5037.58 6403.73,-5037.58 ; 4074,-5437.58 6403.73,-5437.58
Mechanical 2:
  lines w1: 4063,-8669 4063,-8666 4208,-8666 ; 4063,-8646.58 5716,-8646.58 ; 4063,-8446.58 5716,-8446.58 ; 4063,-8245.58 5716,-8245.58 ; 4063,-8045.58 5716,-8045.58 ; 4063,-7846.58 5716,-7846.58 ; 4063,-7646.58 5716,-7646.58 ; 4063,-7444.58 5716,-7444.58 ; 4063,-7246.58 5716,-7246.58 ; 4063,-7046.58 5716,-7046.58 ; 4063,-7027 4208,-7027 ; 4063,-6921 4063,-6882 ; 4092,-8666 4063,-8695 4063,-8724 ; 4092,-7027 4063,-6998 4063,-6969 ; 4102,-8811 4063,-8811 ; 4121,-8666 4063,-8724 ; 4121,-7027 4063,-6969 ; 4150,-8666 4063,-8753 ; 4150,-7027 4063,-6940 ; 4151,-8811 4151,-8723 ; 4151,-8671 4151,-6970 ; 4151,-8518 4206.11,-8518 ; 4158,-6970 5628,-6970 ; 4179,-8666 4063,-8782 ; 4179,-7027 4063,-6911 ; 4205,-6882 4208,-6882 4208,-7027 ; 4208,-8811 4208,-8666 ; 4208,-8782 4179,-8811 4150,-8811 ; 4208,-8753 4150,-8811 ; 4208,-8724 4121,-8811 ; 4208,-8695 4092,-8811 ; 4208,-6998 4092,-6882 ; 4208,-6969 4121,-6882 ; 4208,-6940 4150,-6882 ; 4208,-6911 4179,-6882 4150,-6882 ; 4889.5,-8811 4889.5,-8097.5 4889.5,-7846.5 ; 5571,-8782 5600,-8811 5629,-8811 ; 5571,-8753 5629,-8811 ; 5571,-8724 5658,-8811 ; 5571,-8695 5687,-8811 ; 5571,-6998 5687,-6882 ; 5571,-6969 5658,-6882 ; 5571,-6940 5629,-6882 ; 5571,-6911 5600,-6882 5629,-6882 ; 5571,-6882 5571,-7027 ; 5571.3,-8457.42 5572.89,-8459 ; 5574,-8811 5571,-8811 5571,-8666 ; 5600,-8666 5716,-8782 ; 5600,-7027 5716,-6911 ; 5628,-8641 5628,-8723 ; 5629,-8666 5716,-8753 ; 5629,-7027 5716,-6940 ; 5658,-8666 5716,-8724 ; 5658,-7027 5716,-6969 ; 5677,-6882 5716,-6882 ; 5687,-8666 5716,-8695 5716,-8724 ; 5687,-7027 5716,-6998 5716,-6969 ; 5716,-8772 5716,-8811 ; 5716,-8666 5571,-8666 ; 5716,-7024 5716,-7027 5571,-7027 ; 4063,-8811 4208,-8666 ; 4063,-8811 4063,-8782 ; 4063,-8811 4092,-8811 ; 4063,-8811 5716,-8811 ; 4063,-8811 4063,-6882 ; 4063,-8811 5716,-6882 ; 4063,-8782 4063,-8753 ; 4063,-8753 4063,-8724 ; 4063,-6969 4063,-6940 ; 4063,-6940 4063,-6911 ; 4063,-6911 4063,-6882 ; 4063,-6882 4092,-6882 ; 4063,-6882 4208,-7027 ; 4063,-6882 5716,-6882 ; 4063,-6882 5716,-6882 ; 4063,-6882 5716,-8811 ; 4092,-8811 4121,-8811 ; 4092,-6882 4121,-6882 ; 4121,-8811 4150,-8811 ; 4121,-6882 4150,-6882 ; 4151,-8723 5628,-8723 ; 4151,-8723 4151,-6970 ; 4151,-8723 5628,-8723 ; 4151,-6970 5628,-6970 ; 5571,-8666 5716,-8811 ; 5571,-7027 5716,-6882 ; 5628,-8723 5628,-6970 ; 5629,-8811 5658,-8811 ; 5629,-6882 5658,-6882 ; 5658,-8811 5687,-8811 ; 5658,-6882 5687,-6882 ; 5687,-8811 5716,-8811 ; 5687,-6882 5716,-6882 ; 5716,-8811 5716,-8782 ; 5716,-8811 5716,-6882 ; 5716,-8782 5716,-8753 ; 5716,-8753 5716,-8724 ; 5716,-6969 5716,-6940 ; 5716,-6940 5716,-6911 ; 5716,-6911 5716,-6882
  text "NOGO" at 4113,-6928 h40 r315
  text "PLEXIBORDER" at 4738,-6943 h40
  text "NOGO" at 5620,-6973 h40 r45
  text "SCREW" at 4071,-7066 h40
  text "SCREW" at 4070,-7268 h40
  text "SCREW" at 4071,-7466 h40
  text "SCREW" at 4069,-7666 h40
  text "SCREW" at 4070,-7838.58 h40
  text "PLEXIBORDER" at 5702,-8016 h40 r90
  text "PLEXIBORDER" at 4137,-8030 h40 r90
  text "SCREW" at 4073,-8065 h40
  text "SCREW" at 4072,-8265 h40
  text "SCREW" at 4069,-8467 h40
  text "SCREW" at 4071,-8643 h40
  text "NOGO" at 5596,-8713 h40 r315
  text "PLEXIBORDER" at 4707,-8784 h40
  text "NOGO" at 4109,-8786 h40 r45